# Altium PCB STLINK_V1.0.1.PcbDoc
Units mm, origin at the board's own origin, x right, y up, seen from the top; angles counter-clockwise.
Board outline 45 x 24 mm, 2 copper layers (Top Layer, Bottom Layer); 78 components, 54 nets, 222 pads, 117 vias.
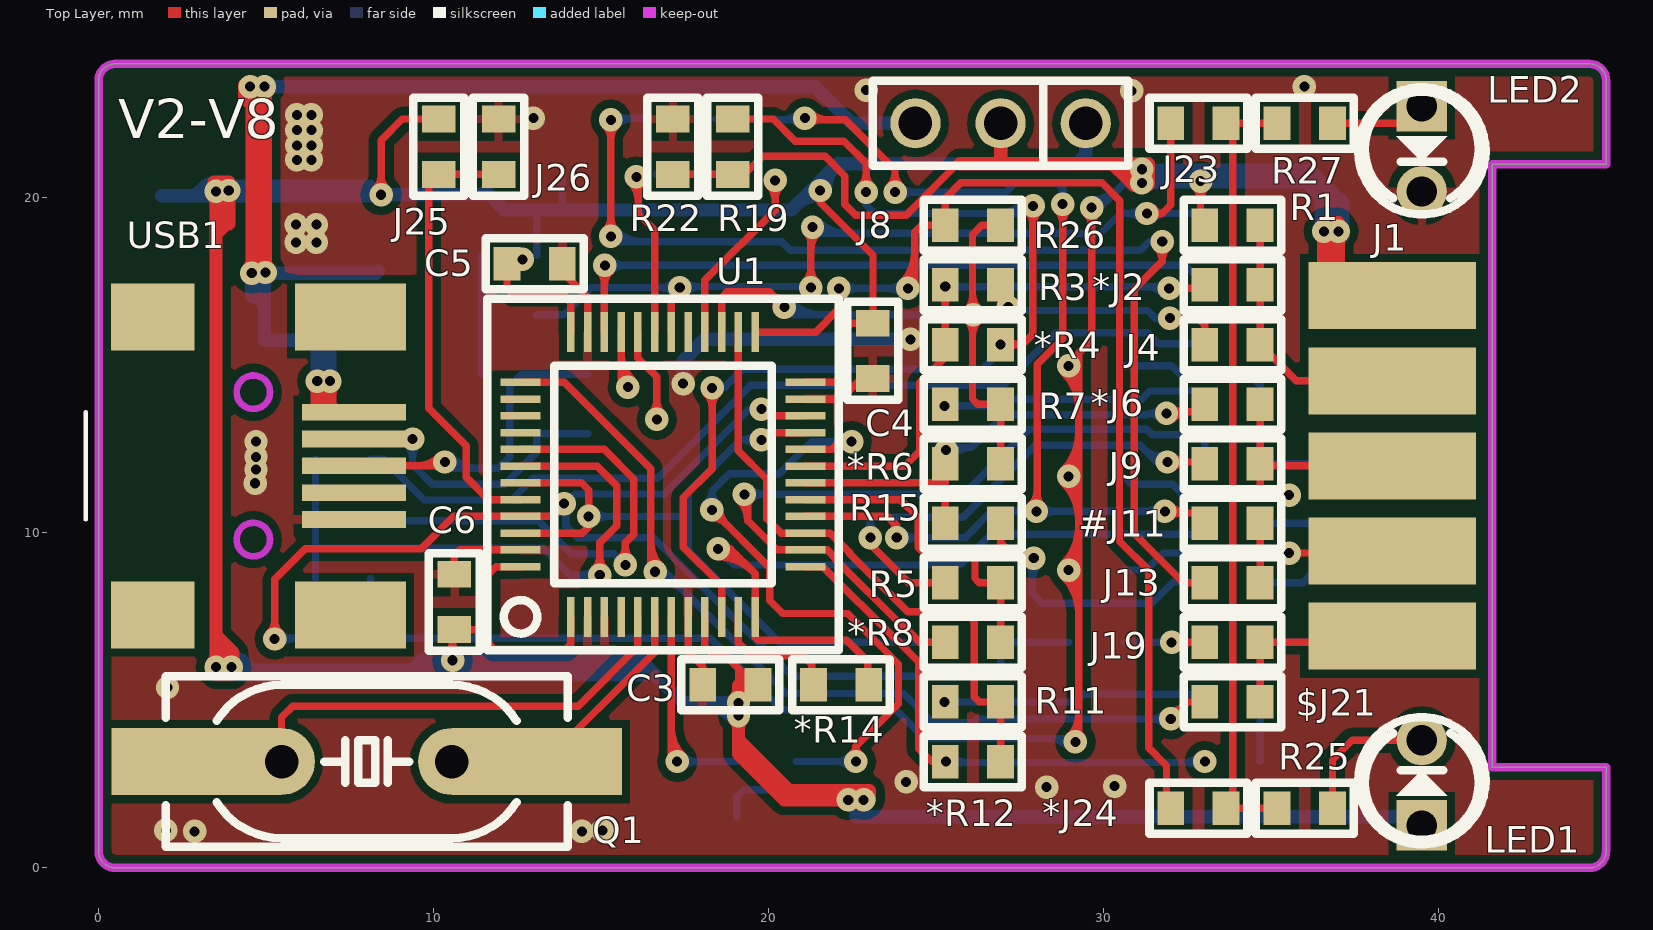
[diagram p0: Top Layer view]
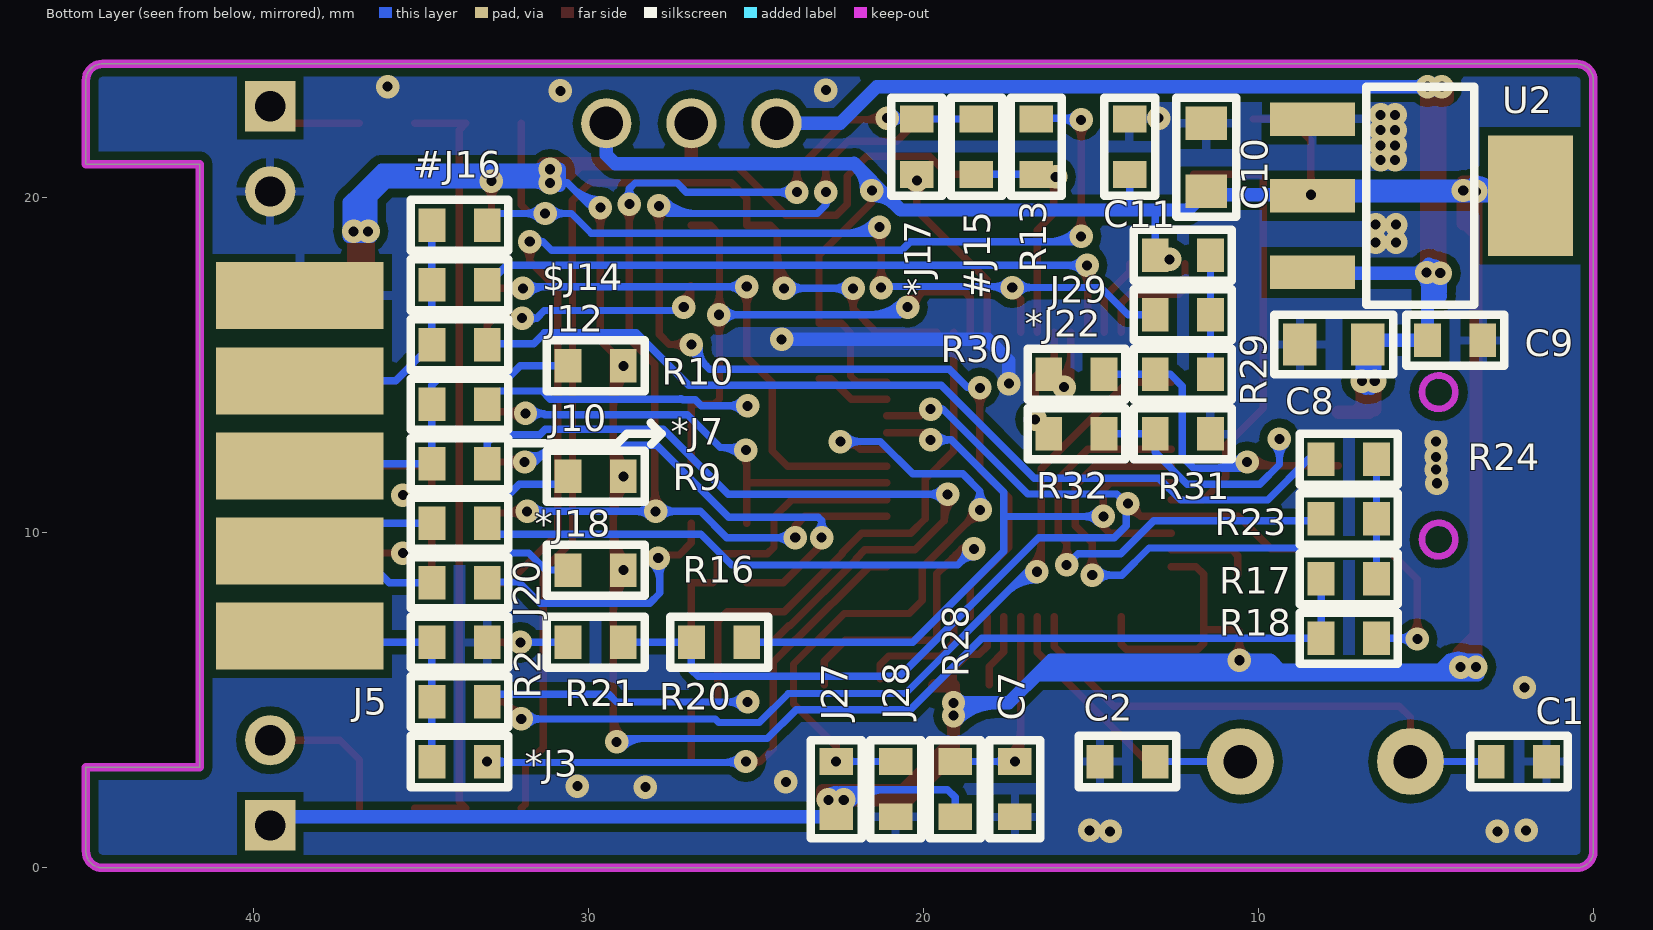
[diagram p1: Bottom Layer view, seen from below]

## Layer stack, top to bottom
Top Layer: signal copper 0.0356
Dielectric: dielectric 0.32, FR-4, Dk 4.8
Bottom Layer: signal copper 0.0356

## Board outline
0,0.5 0,23.5 cw(c0.5,23.5) 0.5,24 44.5,24 cw(c44.5,23.5) 45,23.5 45,21 41.6,21 41.6,3 45,3 45,0.5 cw(c44.5,0.5) 44.5,0 0.5,0 cw(c0.5,0.5)

## Design rules (kind name [scope] priority, off if disabled: settings)
Clearance [All] p1: gap=0.2
ComponentClearance [All] p1 off: gap=0.254 collisioncheckmode=3 verticalgap=0.254 showdistances=FALSE
PolygonConnect [All] p1: connectstyle=Relief reliefconductorwidth=0.254 reliefentries=4 polygonreliefangle="90 Angle"
RoutingVias [All] p1: holewidth=0.3 width=0.6 viastyle="Through Hole" minholewidth=0.3 minwidth=0.5 maxholewidth=0.711 maxwidth=1.27
SilkscreenOverComponentPads [All] p1: minsilkscreentomaskgap=0.254
SolderMaskExpansion [All] p1: expansion=0.102
Width [All] p1: maxlimit=1 minlimit=0.22 preferedwidth=0.22 minimp=50.000000 maximp=50.000000 favimp=50.000000
26 further rules are at their usual default settings.

## Components (designator, comment, footprint, x,y, rotation, side; value= is the part's Value field where it differs from the comment)
#J11 "0" R0603 34.671,10.287 r180 top
#J15 "0" R0603 18.415,22.352 r270 bottom
#J16 "0" R0603 34.671,19.177 r180 bottom
$J14 "0" R0603 34.671,17.399 r180 bottom
$J21 "0" R0603 34.671,4.953 r180 top
*J2 "0" R0603 34.671,17.399 r180 top
*J3 "0" R0603 34.671,3.175 r180 bottom
*J6 "0" R0603 34.671,13.843 r180 top
*J7 "0" R0603 34.671,12.065 r180 bottom
*J17 "0" R0603 20.193,22.352 r270 bottom
*J18 "0" R0603 34.671,10.287 r180 bottom
*J22 "0" R0603 11.43,16.51 r0 bottom
*J24 "0" R0603 33.655,1.778 r180 top
*R4 "100R" R0603 26.924,15.621 r180 top
*R6 "100R" R0603 26.924,12.065 r180 top
*R8 "100R" R0603 26.924,6.731 r180 top
*R12 "100R" R0603 26.924,3.175 r180 top
*R14 "100R" R0603 21.336,5.461 r0 top
C1 "22" R0603 1.397,3.175 r0 bottom
C2 "22" R0603 14.732,3.175 r180 bottom
C3 "104" R0603 18.034,5.461 r0 top
C4 "104" R0603 23.114,14.605 r90 top
C5 "104" R0603 13.843,18.034 r180 top
C6 "104" R0603 10.617,8.763 r270 top
C7 "104" R0603 17.272,1.524 r90 bottom
C8 "106" R0805 8.763,15.621 r180 bottom
C9 "104" R0603 3.302,15.748 r0 bottom
C10 "106" R0805 11.557,22.225 r270 bottom
C11 "104" R0603 13.843,22.352 r270 bottom
J1 "JTAG_10" DC3-10_2.54_1 38.608,17.08 r0 top
J4 "0" R0603 34.671,15.621 r180 top
J5 "0" R0603 34.671,4.953 r180 bottom
J8 "CON3" CON3_1.0_2.54 29.464,22.225 r180 top
J9 "0" R0603 34.671,12.065 r180 top
J10 "0" R0603 34.671,13.843 r180 bottom
J12 "0" R0603 34.671,15.621 r180 bottom
J13 "0" R0603 34.671,8.509 r180 top
J19 "0" R0603 34.671,6.731 r180 top
J20 "0" R0603 34.671,8.509 r180 bottom
J23 "0" R0603 33.655,22.225 r180 top
J25 "0" R0603 10.16,20.701 r90 top
J26 "0" R0603 11.938,20.701 r90 top
J27 "0" R0603 22.606,3.175 r270 bottom
J28 "0" R0603 20.828,3.175 r270 bottom
J29 "0" R0603 11.43,18.288 r0 bottom
LED1 "LED" LED_3MM 39.497,1.27 r90 top
LED2 "LED" LED_3MM 39.497,22.733 r270 top
Q1 "Hz" JZ_1 10.541,3.175 r180 top
R1 "10K" R0603 33.02,19.177 r0 top
R2 "10K" R0603 33.02,6.731 r0 bottom
R3 "22R" R0603 25.273,17.399 r0 top
R5 "22R" R0603 26.924,8.509 r180 top
R7 "22R" R0603 26.924,13.843 r180 top
R9 "10K" R0603 28.956,11.684 r0 bottom
R10 "10K" R0603 28.956,14.986 r0 bottom
R11 "22R" R0603 26.924,4.953 r180 top
R13 "22R" R0603 16.637,20.701 r90 bottom
R15 "22R" R0603 25.273,10.287 r0 top
R16 "10K" R0603 28.956,8.89 r0 bottom
R17 "680R" R0603 8.128,8.636 r180 bottom
R18 "680R" R0603 8.128,6.858 r180 bottom
R19 "4K7" R0603 18.923,20.701 r90 top
R20 "220R" R0603 26.924,6.731 r180 bottom
R21 "47R" R0603 30.607,6.731 r180 bottom
R22 "4K7" R0603 17.145,20.701 r90 top
R23 "220R" R0603 6.477,10.414 r0 bottom
R24 "47R" R0603 8.128,12.192 r180 bottom
R25 "470R" R0603 36.83,1.778 r180 top
R26 "100R" R0603 26.924,19.177 r180 top
R27 "470R" R0603 36.83,22.225 r180 top
R28 "10K" R0603 19.05,1.524 r90 bottom
R29 "1K5" R0603 13.081,14.732 r180 bottom
R30 "22R" R0603 16.256,14.732 r180 bottom
R31 "15K" R0603 13.081,12.954 r180 bottom
R32 "22R" R0603 16.256,12.954 r180 bottom
U1 "F103C8T6" LQFP48 14.097,7.493 r90 top
U2 "ASM1117" SOT-223 8.382,22.352 r270 bottom
USB1 "USB_M" USB_MINI 7.62,10.4 r90 top locked

## Footprints (in the part's own frame and the unit in brackets; to place one, negate y for a bottom-side part, rotate by r counter-clockwise, add the part's x,y. Pads: shape width x height; smd on the part's side, far side on the other; paste and mask are expansions set on the pad)
CON3_1.0_2.54 [mm]
  round 1.5 hole 1: 1(0,0) 2(2.54,0) 3(5.08,0)
  silkscreen extent -1.27,-1.27 6.35,1.27
DC3-10_2.54_1 [mm]
  rect 5x2 smd: 1(0,0) 3(0,-2.54) 5(0,-5.08) 7(0,-7.62) 9(0,-10.16)
  rect 5x2 smd far side: 2(0,0) 4(0,-2.54) 6(0,-5.08) 8(0,-7.62) 10(0,-10.16)
JZ_1 [mm]
  rect 5.08x2 smd: 1(-2.54,0) 2(7.62,0)
  round 2 hole 1: 1(0,0) 2(5.08,0)
  silkscreen extent -3.46,-2.54 8.54,2.54
LED_3MM [mm]
  rect 1.5x1.5 hole 0.9: 1(0,0)
  round 1.5 hole 0.9: 2(2.54,0)
  silkscreen extent -0.43,-1.7 2.74,1.7
LQFP48 [mm]
  rect 1.2x0.22 smd: 1(0,0) 2(0,-0.5) 3(0,-1) 4(0,-1.5) 5(0,-2) 6(0,-2.5) 7(0,-3) 8(0,-3.5) 9(0,-4) 10(0,-4.5) 11(0,-5) 12(0,-5.5) 25(8.5,-5.5) 26(8.5,-5) 27(8.5,-4.5) 28(8.5,-4) 29(8.5,-3.5) 30(8.5,-3) 31(8.5,-2.5) 32(8.5,-2) 33(8.5,-1.5) 34(8.5,-1) 35(8.5,-0.5) 36(8.5,0)
  rect 0.22x1.2 smd: 13(1.5,-7) 14(2,-7) 15(2.5,-7) 16(3,-7) 17(3.5,-7) 18(4,-7) 19(4.5,-7) 20(5,-7) 21(5.5,-7) 22(6,-7) 23(6.5,-7) 24(7,-7) 37(7,1.5) 38(6.5,1.5) 39(6,1.5) 40(5.5,1.5) 41(5,1.5) 42(4.5,1.5) 43(4,1.5) 44(3.5,1.5) 45(3,1.5) 46(2.5,1.5) 47(2,1.5) 48(1.5,1.5)
  silkscreen extent -1,-8 9.5,2.5
R0603 [mm]
  rect 0.8x1 smd: 1(0,0) 2(1.651,0)
  silkscreen extent -0.64,-0.76 2.29,0.76
R0805 [mm]
  rect 1x1.25 smd: 1(0,0) 2(2.032,0)
  silkscreen extent -0.76,-0.89 2.79,0.89
SOT-223 [mm]
  rect 1x2.54 smd: 1(0,0) 2(2.29,0) 3(4.58,0)
  rect 3.6x2.54 smd: 2(2.29,6.5)
  silkscreen extent -0.96,1.6 5.54,4.83
USB_MINI [mm]
  rect 2x2.5 smd: 0(-2.85,6) 0(6.05,6)
  rect 2x3.3 smd: 0(-2.85,0.1) 0(6.05,0.1)
  rect 0.5x3.1 smd: 1(3.2,0) 2(2.4,0) 3(1.6,0) 4(0.8,0) 5(0,0)
  Keep-Out Layer circle w0.2: c-0.6,3 r0.5
  Keep-Out Layer circle w0.2: c3.8,3 r0.5
  silkscreen extent 0,8 3.2,8

## Part data
#J11 #J15 #J16 $J14 $J21 *J2 *J3 *J6 *J7 *J17 *J18 *J22 *J24 *R4 *R6 *R8 *R12 *R14 J4 J5 J9 J10 J12 J13 J19 J20 J23 J25 J26 J27 J28 J29 R1 R2 R3 R5 R7 R9 R10 R11 R13 R15 R16 R17 R18 R19 R20 R21 R22 R23 R24 R25 R26 R27 R28 R29 R30 R31 R32: library part R
C1 C2 C3 C4 C5 C6 C7 C8 C9 C10 C11: library part C
Q1: library part JZ
U1: library part STM32F103C8T6

## Via types
v1: diameter 0.7, hole 0.3, Top Layer to Bottom Layer, tented both sides, 117 vias

## Nets (pads, with @x,y where several pads share a name; then routed paths per layer and width w, separated by ;. In a path a pad name is that pad's centre, name@x,y a point inside that pad or via, vN(x,y) a via of type N, cw(c..) or ccw(c..) an arc to the next point about the centre after c; other vN are vias at no path point)
3V3: C3.2 C4.2 C5.2 C6.2 C10.2 C11.2 J8.1 J25.2 J27.2 J29.2 LED1.1 R28.1 U1.1 U1.9 U1.24 U1.36 U1.48 U2.2 | length 206.9
  Top Layer w0.22: v1@8.263,20.261 ccw(c7.853,20.671) 8.433,20.671 ccw(c9.012,20.671) v1@8.603,20.261 ; v1(8.433,20.091) 8.433,21.717 9.068,22.352 J25.2 ; v1@10.397,6.367 ccw(c9.987,6.777) 10.566,6.777 ccw(c11.146,6.777) v1@10.736,6.367 ; v1(10.566,6.198) C6.2@10.566,7.061 ; C6.2 11.582,7.112 ; C5.2 12.192,17.297 12.37,17.12 13.843,17.12 14.097,16.866 U1.36 ; U1.48 11.863,8.993 11.633,8.763 11.633,6.706 11.811,6.528 13.945,6.528 14.097,6.68 U1.1 ; U1.9 18.097,6.617 18.339,6.375 18.669,6.375 19.075,5.969 ; 19.101,5.436 19.101,5.944 19.075,5.969 ; 19.228,5.563 19.228,5.817 ; C3.2@19.634,5.41 19.228,5.817 ; U1.24 21.986,14.493 22.174,14.681 22.174,15.977 22.454,16.256 C4.2 23.114,18.288 21.539,19.863 ; v1(21.539,20.218) 21.539,19.863 ; 19.075,5.969 19.228,5.817 ; 21.539,19.863 cw(c21.683,19.863) 21.629,19.996 ccw(c21.683,19.863) 21.539,19.863 ; 21.539,19.863 ccw(c21.396,19.863) 21.449,19.996 cw(c21.396,19.863) 21.539,19.863
  Top Layer w0.4: v1@3.399,6.1 ccw(c3.143,6.357) 3.505,6.357 ccw(c3.867,6.357) v1@3.611,6.1 ; v1@3.399,20.087 cw(c3.143,19.831) 3.505,19.831 cw(c3.867,19.831) v1@3.611,20.087 ; v1@3.425,20.066 cw(c2.89,19.226) 3.886,19.226 ; v1@3.432,6.126 ccw(c3.125,6.68) 3.759,6.68 ; v1@3.639,20.404 cw(c3.353,19.954) v1@3.886,19.954 ; v1@3.646,6.047 ccw(c4.013,6.183) v1@4.013,5.791 ; v1@3.737,20.208 ccw(c3.454,20.19) v1@3.454,20.472 ; v1@3.759,5.817 3.759,6.68 ; v1@3.817,6.032 cw(c3.505,6.114) v1@3.505,5.791 ; v1@3.866,6.109 ccw(c3.599,6.426) 4.013,6.426 ; v1@4.05,6.117 cw(c4.452,6.68) 3.759,6.68 ; v1@18.995,4.653 ccw(c18.739,4.909) 19.101,4.909 ccw(c19.463,4.909) v1@19.207,4.653 ; v1@18.995,5.034 ccw(c18.739,5.29) 19.101,5.29 ccw(c19.463,5.29) v1@19.207,5.034 ; v1(19.101,4.547) 19.101,3.404 20.472,2.032 23.012,2.032 v1@23.012,2.311 ; C3.2@19.66,5.436 19.101,5.436 19.101,3.81 20.599,2.311 v1@23.012,2.311 ; 21.341,2.311 cw(c21.341,0.995) 22.271,1.926 ccw(c22.015,1.67) 22.015,2.032 ccw(c22.015,2.394) v1@22.271,2.138 ; 21.798,2.311 cw(c21.798,0.995) 22.729,1.926 ccw(c22.472,1.67) 22.472,2.032 ccw(c22.472,2.394) v1@22.729,2.138 ; v1@22.483,1.926 cw(c22.74,1.67) 22.74,2.032 cw(c22.74,2.394) v1@22.483,2.138 ; v1@22.517,1.976 cw(c23.012,1.777) v1@23.012,2.311 ; v1@3.454,20.472 3.886,20.472 v1(3.886,20.218) 3.886,19.304 3.505,18.923 3.505,18.847 ; v1@3.454,20.472 3.454,20.244 v1(3.505,20.193) 3.505,18.847 ; v1@3.505,5.791 3.505,6.934 ; v1@3.505,5.791 v1@4.013,5.791 ; 3.505,6.934 3.505,18.847 ; 3.505,6.934 3.759,6.68 ; 3.759,6.68 4.013,6.426 ; v1@4.013,5.791 4.013,6.426 ; v1@18.995,4.822 cw(c18.739,4.565) v1@19.101,4.565 ; v1@18.995,4.822 cw(c18.739,4.565) v1@19.101,4.565 ; v1@18.995,4.822 cw(c18.739,4.565) v1@19.101,4.565 ; 19.101,4.184 cw(c19.463,4.184) 19.207,4.441 ccw(c19.463,4.184) 19.101,4.184 ; 19.101,4.184 ccw(c18.739,4.184) 18.995,4.441 cw(c18.739,4.184) 19.101,4.184 ; v1@19.101,4.565 cw(c19.463,4.565) v1@19.207,4.822 ; v1@19.101,4.565 cw(c19.463,4.565) v1@19.207,4.822 ; v1@19.101,4.565 cw(c19.463,4.565) v1@19.207,4.822
  Bottom Layer w0.22: C10.2@11.426,20.062 C10.2 ; J29.2 13.081,19.558 ; 13.843,19.66 C11.2 ; R28.1 19.05,2.108 19.279,2.337 19.71,2.337 22.504,2.337 22.606,2.235 J27.2 ; 21.062,2.337 cw(c21.062,0.717) J27.2@22.208,1.862 ; 21.519,2.337 cw(c21.519,0.717) J27.2@22.665,1.862 ; 21.593,2.337 cw(c21.593,1.248) v1@22.363,2.018 ; 22.05,2.337 cw(c22.05,1.248) v1@22.82,2.018 ; 22.124,2.337 cw(c22.124,1.779) v1@22.519,2.173 ; J27.2@22.336,1.796 cw(c22.281,1.475) 22.606,1.475 cw(c22.931,1.475) J27.2@22.876,1.796 ; v1@22.374,2.012 cw(c22.326,1.736) 22.606,1.736 cw(c22.886,1.736) v1@22.838,2.012 ; 22.582,2.337 cw(c22.582,1.779) v1@22.976,2.173 ; v1@22.598,2.072 ccw(c22.312,2.119) 22.517,2.324 ccw(c22.693,2.5) v1@22.765,2.262
  Bottom Layer w0.4: U2.2@2.827,20.062 ccw(c2.827,20.871) v1@3.399,20.299 ; U2.2@3.146,20.062 ccw(c3.146,20.958) v1@3.78,20.324 ; U2.2@3.15,20.32 cw(c3.46,20.011) v1@3.566,20.436 ; v1@3.217,20.345 cw(c3.217,19.55) v1@3.78,20.112 ; v1(3.505,5.994) v1@3.596,5.904 ; v1@3.611,20.087 cw(c4.235,19.463) 4.235,20.345 ; v1@3.611,20.299 ccw(c4.184,20.871) v1@4.184,20.062 ; v1@3.617,5.895 cw(c4.293,5.293) 4.293,6.198 ; v1@3.819,6.037 cw(c3.454,6.146) v1@3.454,5.766 ; v1@3.822,5.942 ccw(c3.454,5.806) v1@3.454,6.198 ; v1@3.825,6.054 cw(c3.596,6.154) v1@3.596,5.904 ; v1@3.89,6.234 cw(c4.032,5.763) 4.38,6.111 ; v1@3.992,20.112 cw(c4.555,19.55) 4.555,20.345 ; v1@3.992,20.324 ccw(c4.626,20.958) 4.626,20.062 ; v1@4.086,5.904 cw(c4.086,6.575) 3.611,6.1 ccw(c4.419,6.908) 4.419,5.766 ; 4.543,5.904 cw(c4.543,6.575) 4.068,6.1 ccw(c4.876,6.908) 4.876,5.766 ; U2.2@7.457,20.345 cw(c7.457,19.116) U2.2@8.327,19.985 ; U2.2@8,20.062 ccw(c8,20.525) U2.2@8.327,20.197 ; U2.2@8.099,20.345 3.175,20.345 2.892,20.062 1.882,20.062 U2.2@8.403,20.062 ; v1(8.433,20.091) C10.2@11.455,20.091 ; U2.2@8.539,19.985 cw(c8.795,19.729) 8.795,20.091 cw(c8.795,20.454) U2.2@8.539,20.197 ; 9.162,5.766 ccw(c9.162,7.602) v1@10.46,6.304 ; 9.347,5.904 9.641,6.198 16.18,6.198 16.473,5.904 ; 9.495,5.904 ccw(c9.495,7.269) v1@10.46,6.304 ; 10.127,5.766 ccw(c10.127,6.637) v1@10.743,6.021 ; v1@10.39,6.021 ccw(c11.005,6.637) 11.005,5.766 ; v1@10.46,6.092 ccw(c10.204,5.835) 10.204,6.198 ccw(c10.204,6.56) v1@10.46,6.304 ; v1@10.672,6.092 cw(c10.929,5.835) 10.929,6.198 cw(c10.929,6.56) v1@10.672,6.304 ; C10.2 12.113,19.637 20.671,19.637 20.966,19.932 20.973,19.932 22.073,21.031 22.083,21.021 29.2,21.021 29.464,21.285 J8.1 ; 11.637,5.904 cw(c11.637,7.269) v1@10.672,6.304 ; 11.971,5.766 cw(c11.971,7.602) v1@10.672,6.304 ; 16.612,5.766 v1@3.454,5.766 ; 17.819,4.928 cw(c17.819,3.265) v1@18.995,4.441 ; v1@18.951,4.547 ccw(c18.589,4.547) 18.845,4.803 ccw(c19.101,5.059) v1@19.101,4.697 ; v1@18.995,5.034 cw(c18.739,5.29) 18.739,4.928 cw(c18.739,4.565) 18.995,4.822 cw(c18.739,4.565) 19.101,4.565 cw(c19.463,4.565) v1@19.207,4.822 ; v1(19.101,4.547) 18.771,4.877 v1@18.771,4.928 ; v1(19.101,4.928) v1@18.771,4.928 ; 20.834,19.792 cw(c21.502,19.124) v1@21.534,20.068 ; v1@21.689,20.218 cw(c22.726,20.218) 21.993,20.951 ; J27.2 LED1.1@39.243,1.524 ; v1@3.454,5.766 v1@3.454,6.198 ; v1@3.454,6.198 4.293,6.198 ; v1@3.596,5.904 4.724,5.904 ; 4.293,6.198 4.586,5.904 4.724,5.904 ; 4.724,5.904 16.473,5.904 ; 16.473,5.904 17.45,4.928 v1@18.771,4.928
  other v1: 22.377,2.032 22.835,2.032 3.962,5.994 12.649,18.161
BOOT0: J25.1 J26.1 U1.44 | length 13.5
  Top Layer w0.22: J26.1 9.855,20.701 9.855,13.716 10.973,12.598 10.973,11.659 11.638,10.993 U1.44
BOOT1: J27.1 J28.1 U1.20 | length 26
  Top Layer w0.22: v1@18.308,10.448 cw(c18.308,9.869) 18.718,10.279 cw(c19.128,10.688) v1@18.548,10.688 ; v1(18.308,10.688) 20.037,8.96 20.037,7.979 20.422,7.595 22.367,7.595 23.876,6.086 23.876,4.902 22.606,3.632 ; U1.20 21.891,12.493 22.123,12.725 ; 21.946,12.548 cw(c22.132,12.362) v1@22.313,12.552 ; 21.976,12.578 cw(c22.333,12.222) v1@22.473,12.706 ; 22.105,12.707 cw(c22.287,12.524) v1@22.465,12.711 ; v1@22.256,12.636 ccw(c22.123,12.582) 22.123,12.725 ; v1@22.256,12.815 cw(c22.123,12.869) 22.123,12.725 ; v1@22.47,3.373 ccw(c22.291,3.632) 22.606,3.632 ; v1(22.479,12.725) 22.123,12.725 ; v1(22.606,3.175) 22.606,3.632 ; v1@22.742,3.373 cw(c22.921,3.632) 22.606,3.632
  Bottom Layer w0.22: v1@18.144,10.863 ccw(c17.788,11.243) 18.308,11.243 ; v1(18.308,10.688) 18.308,11.243 ; v1@18.473,10.863 cw(c18.829,11.243) 18.308,11.243 ; J28.1 v1(22.606,3.175) ; v1@22.309,12.556 ccw(c21.9,12.146) 21.9,12.725 ccw(c21.9,13.305) v1@22.309,12.895 ; J27.1@22.436,3.005 ccw(c22.027,2.596) 22.027,3.175 ccw(c22.027,3.754) J27.1@22.436,3.345 ; v1(22.479,12.725) 21.285,12.725 20.32,11.76 19.537,11.76 19.533,11.765 18.83,11.765 18.308,11.243
GND: C1.1 C2.1 C3.1 C4.1 C5.1 C6.1 C7.1 C8.1 C9.1 C10.1 C11.1 J1.2 J26.2 J28.2 LED2.2 R2.1 R22.2 R31.2 U1.2 U1.3 U1.8 U1.23 U1.35 U1.47 U2.1 USB1.5 | length 17.2
  Top Layer w0.22: C6.1 10.617,9.322 10.788,9.493 U1.47 ; C5.1 13.843,17.79 14.597,17.036 U1.35 ; U1.8 17.597,6.447 18.034,6.01 C3.1 ; U1.23 22.156,13.993 22.768,14.605 C4.1
  Bottom Layer w0.4: v1(17.45,14.453) 17.45,15.138 18.085,15.773 v1(24.232,15.773)
  other v1: 2.87,1.092 14.427,1.092 2.007,1.118 15.037,1.118 28.296,2.413 30.328,2.438 24.105,2.565 2.057,5.385 4.674,11.481 4.699,11.887 4.699,12.268 4.699,12.725 5.893,18.669 6.502,18.669 5.893,19.202 6.502,19.202 5.918,21.133 6.35,21.133 5.918,21.565 6.35,21.565 5.918,22.022 6.35,22.022 12.979,22.377 5.918,22.479 6.35,22.479 30.836,23.19 22.911,23.216 35.992,23.317
JTCK: $J21.2 U1.37 | length 31
  Top Layer w0.22: U1.37 13.904,14.493 16.485,11.913 v1@16.485,8.966 ; 16.485,9.194 ccw(c16.966,9.194) v1@16.626,8.853 ; 16.485,9.725 ccw(c17.498,9.725) v1@16.781,9.009 ; v1(32.004,4.445) 32.512,4.953 $J21.2 ; v1@32.004,4.685 ccw(c32.004,5.264) 32.414,4.855 ccw(c32.823,4.445) v1@32.244,4.445
  Bottom Layer w0.22: v1@16.612,8.599 cw(c16.612,7.315) 17.52,8.223 ; v1@16.612,8.819 cw(c16.612,8.066) 17.144,8.599 ; v1(16.612,8.839) 16.904,8.839 20.536,5.207 24.028,5.207 24.896,4.339 26.107,4.339 26.213,4.445 v1(32.004,4.445) ; v1@31.834,4.275 ccw(c31.425,3.866) 31.425,4.445 ccw(c31.425,5.024) v1@31.834,4.615
JTMS: $J14.2 U1.34 | length 21.9
  Top Layer w0.22: v1@14.943,17.813 cw(c14.572,17.442) 15.097,17.442 ; U1.34 v1@15.097,17.958 ; 15.097,17.365 cw(c15.731,17.365) v1@15.283,17.813
  Bottom Layer w0.22: v1(15.113,17.983) 32.436,17.983 $J14.2 ; v1@15.283,17.813 cw(c15.692,17.404) 15.692,17.983 cw(c15.692,18.563) v1@15.283,18.153
Net*J24_1: *J24.1 J23.1 R25.2 R27.2 | length 23.7
  Top Layer w0.22: R25.2 *J24.1 33.858,1.981 33.858,22.022 J23.1 R27.2
NetLED1_2: LED1.2 R25.1 | length 4.4
  Top Layer w0.22: R25.1 36.83,3.226 37.414,3.81 LED1.2
NetLED2_1: LED2.1 R27.1 | length 2.2
  Top Layer w0.22: R27.1 LED2.1@38.989,22.225
NRST: C7.2 R28.2 U1.7 | length 8.5
  Top Layer w0.22: v1@17.097,3.126 U1.7 ; 17.097,3.646 ccw(c17.743,3.646) v1@17.286,3.189 ; 17.097,4.177 ccw(c18.274,4.177) v1@17.442,3.345
  Bottom Layer w0.22: v1(17.272,3.175) R28.2 ; C7.2@17.442,3.005 cw(c17.851,2.596) 17.851,3.175 cw(c17.851,3.754) C7.2@17.442,3.345
NRST_S: J12.2 R24.1 | length 27.6
  Bottom Layer w0.22: R24.1 8.509,12.192 9.72,10.981 12.328,10.981 12.979,11.633 16.688,11.633 19.465,14.41 27.009,14.41 28.566,15.968 31.311,15.968 31.633,15.646 J12.2@32.995,15.646
NRST_S8: #J16.1 $J14.1 J1.4 J12.1 | length 7.9
  Bottom Layer w0.22: #J16.1 J12.1 35.752,14.54 J1.4
NRST_T: *J18.1 J1.8 J20.1 | length 8.4
  Bottom Layer w0.22: J20.1 35.941,8.509 36.892,9.46 J1.8 ; *J18.1 37.781,10.287 J1.8@38.441,9.627
NRST_V: J20.2 R15.2 | length 9.3
  Top Layer w0.22: R15.2 26.924,9.703 27.288,9.339 27.821,9.339 v1(27.915,9.246)
  Bottom Layer w0.22: v1@27.745,9.076 cw(c27.458,8.789) 27.864,8.789 ; 27.864,8.544 cw(c28.617,8.544) v1@28.084,9.076 ; v1(27.915,9.246) 27.864,9.195 27.864,8.204 28.169,7.899 31.445,7.899 32.08,8.534 J20.2@32.995,8.534
OSC_IN: C1.2 Q1.2 U1.5 | length 16.1
  Top Layer w0.22: Q1.2@5.461,3.175 5.461,4.496 5.791,4.826 14.316,4.826 16.097,6.607 U1.5
  Bottom Layer w0.22: C1.2 Q1.2@5.461,3.175
OSC_OUT: C2.2 Q1.1 U1.6 | length 8.6
  Top Layer w0.22: Q1.1@13.081,3.175 13.208,3.048 16.597,6.437 U1.6
  Bottom Layer w0.22: Q1.1@10.541,3.175 C2.2
PA9: #J16.2 *J22.2 J23.2 U1.30 | length 34.6
  Top Layer w0.22: U1.30 17.097,16.97 17.348,17.221 v1(17.348,17.323) ; v1@17.158,17.177 cw(c17.064,17.104) 17.148,17.021 cw(c17.303,16.866) v1@17.325,17.084 ; v1@21.09,17.493 ccw(c20.68,17.902) 21.26,17.902 ccw(c21.839,17.902) v1@21.43,17.493 ; v1@21.141,18.956 cw(c20.854,18.669) 21.26,18.669 ; v1(21.26,17.323) 21.26,19.075 v1(21.311,19.126) ; 21.26,18.424 cw(c22.013,18.424) v1@21.48,18.956 ; v1(31.293,19.533) 31.75,19.533 ; v1@31.49,19.396 cw(c31.75,19.217) 31.75,19.533 ; v1@31.49,19.669 ccw(c31.75,19.848) 31.75,19.533 ; J23.2 32.004,19.787 31.75,19.533